# Altium PCB brew_cad.PcbDoc
Units mil, origin at the board's own origin, x right, y up, seen from the top; angles counter-clockwise.
Board outline 5300 x 6300 mil, 2 copper layers (L1, L2), stack 62.8 mil thick; 45 components, 102 nets, 484 pads, 55 vias.
Unrouted connection lines stored in the file: 5.
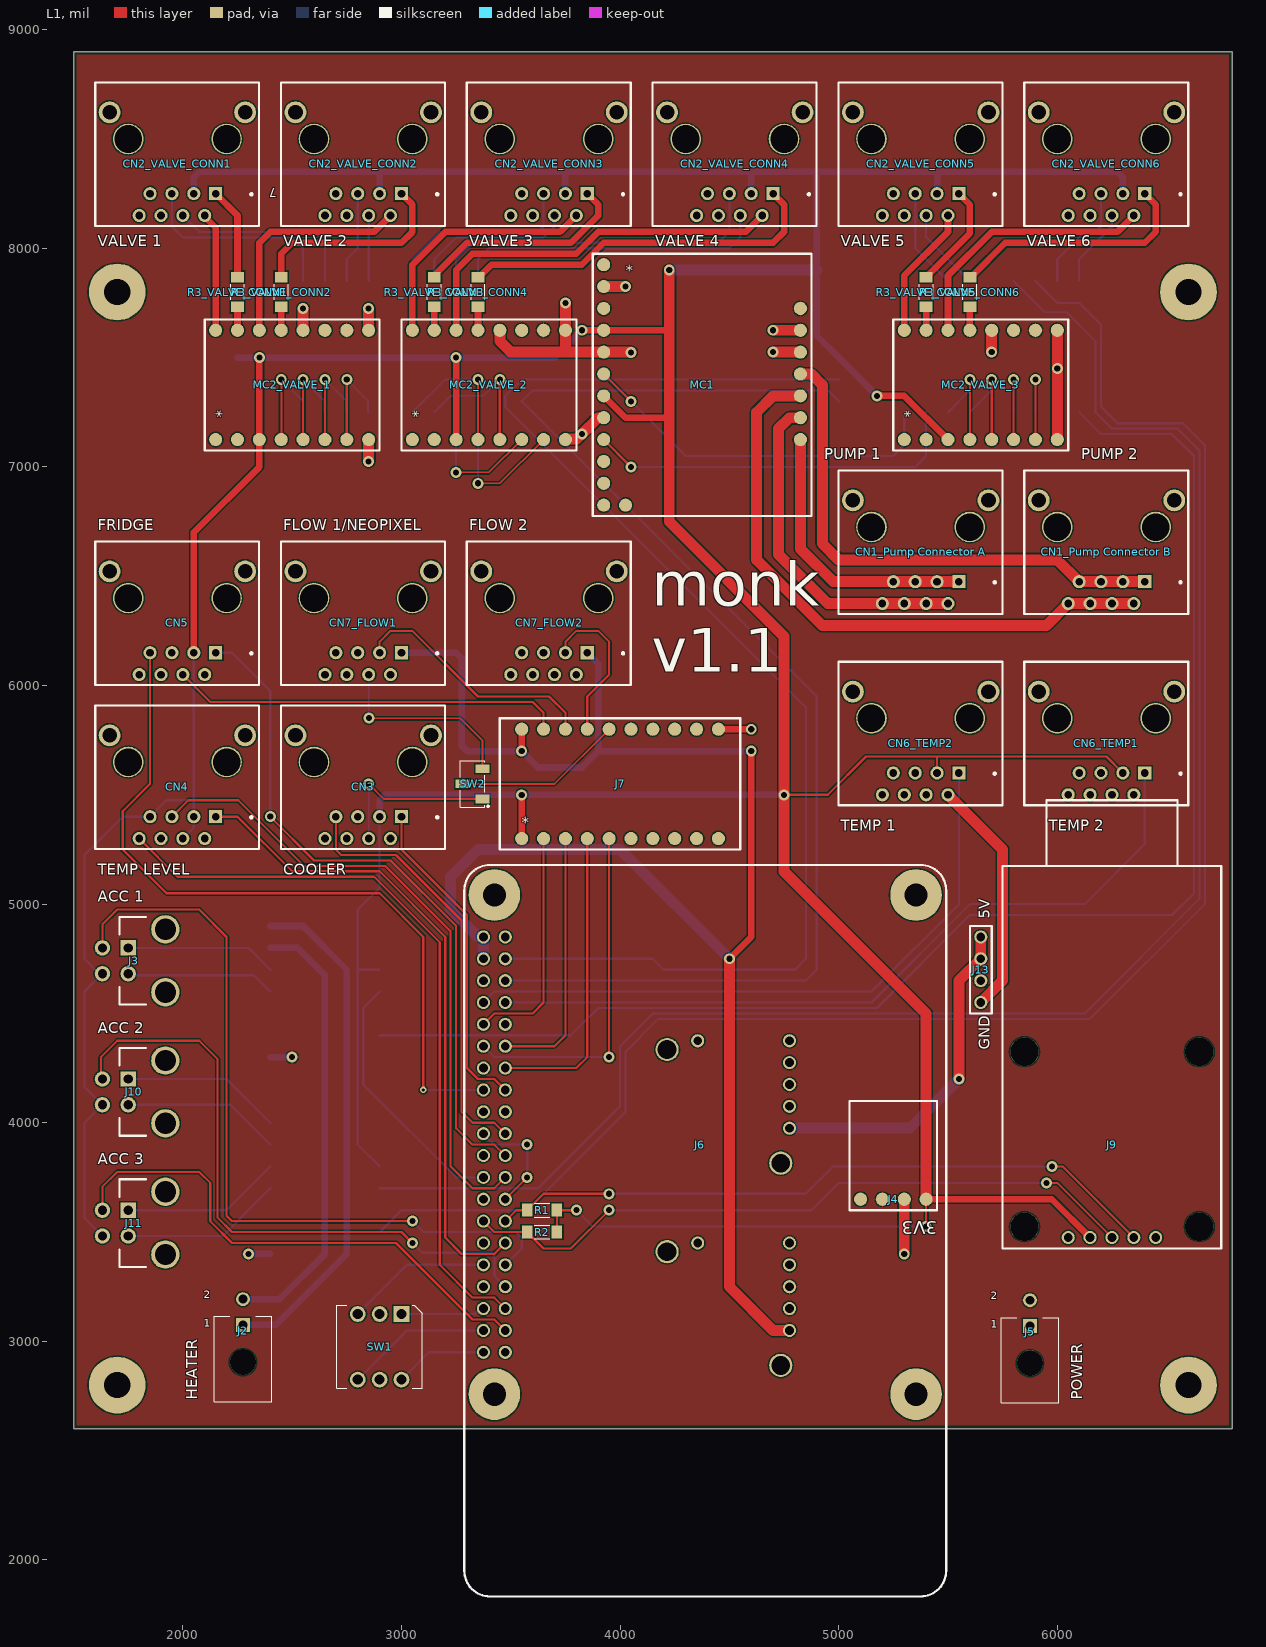
[diagram p0: L1 view]
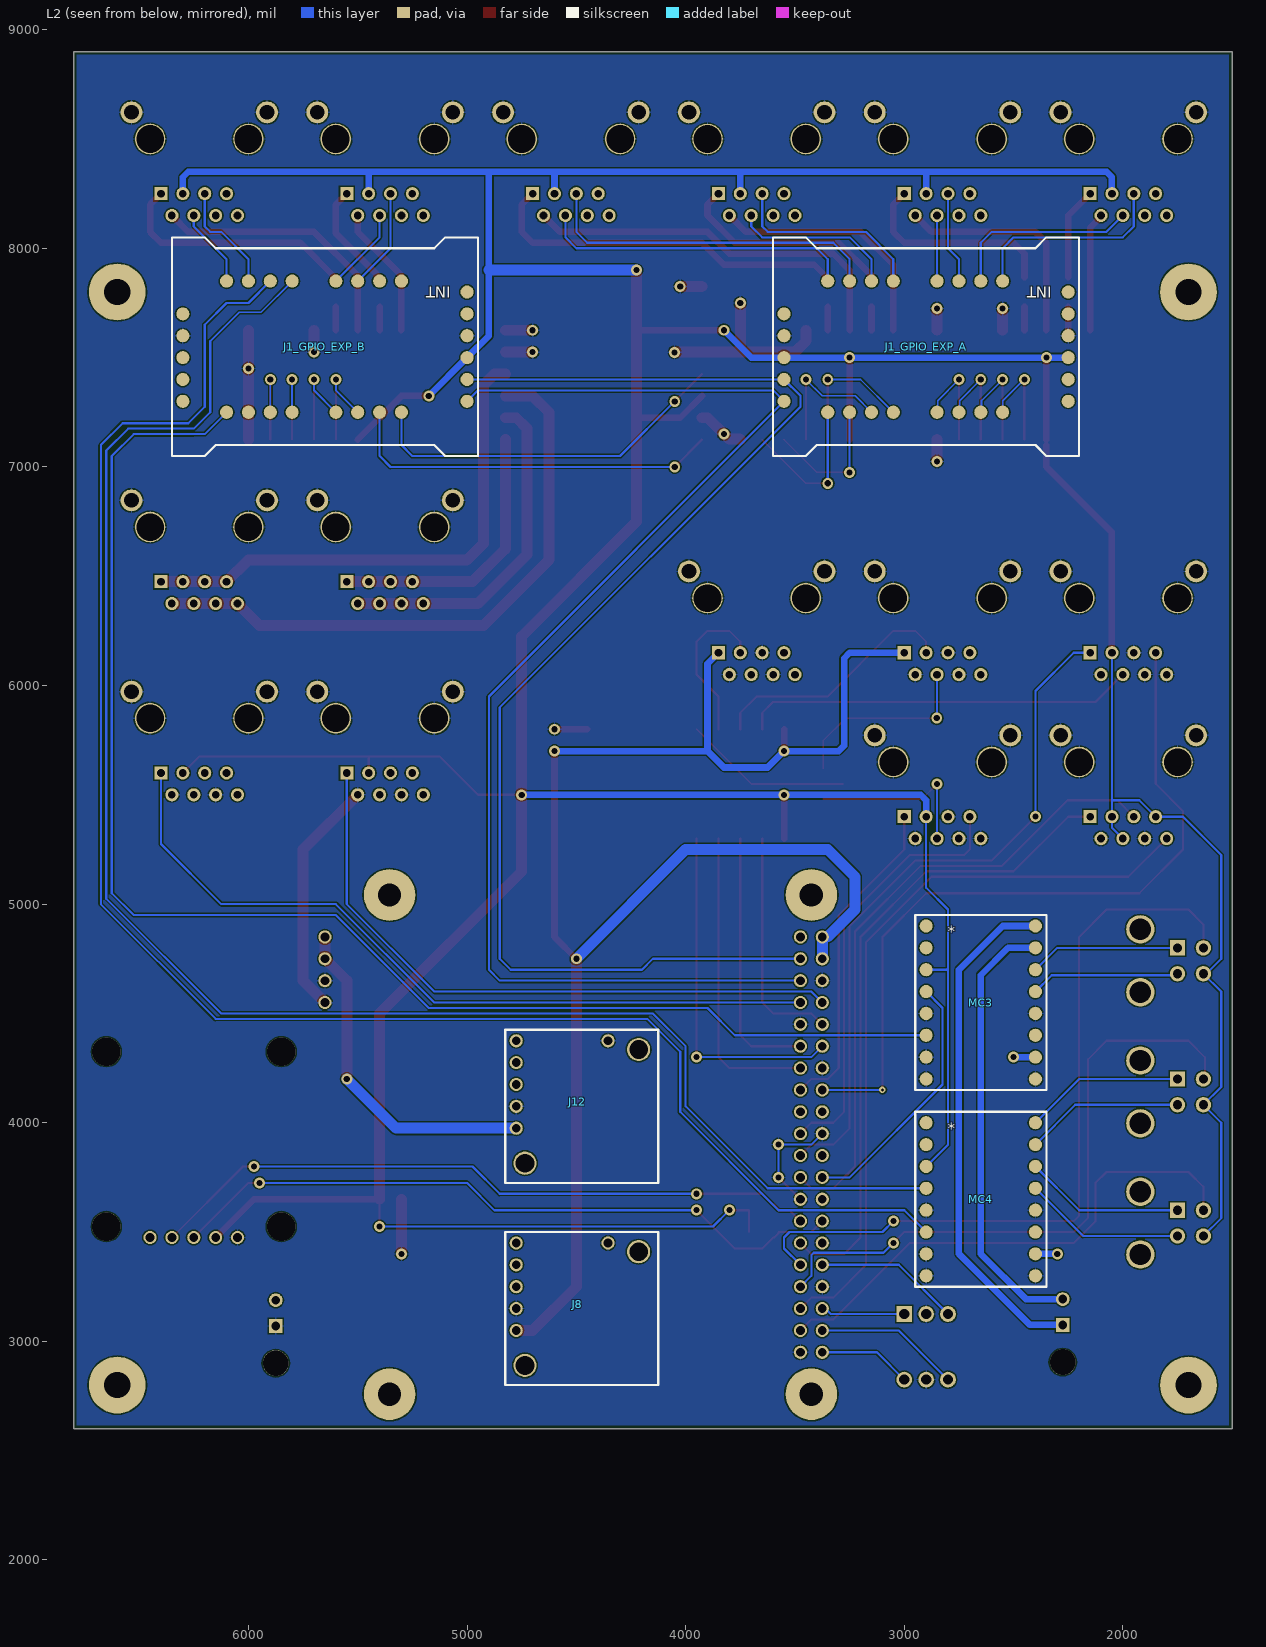
[diagram p1: L2 view, seen from below]
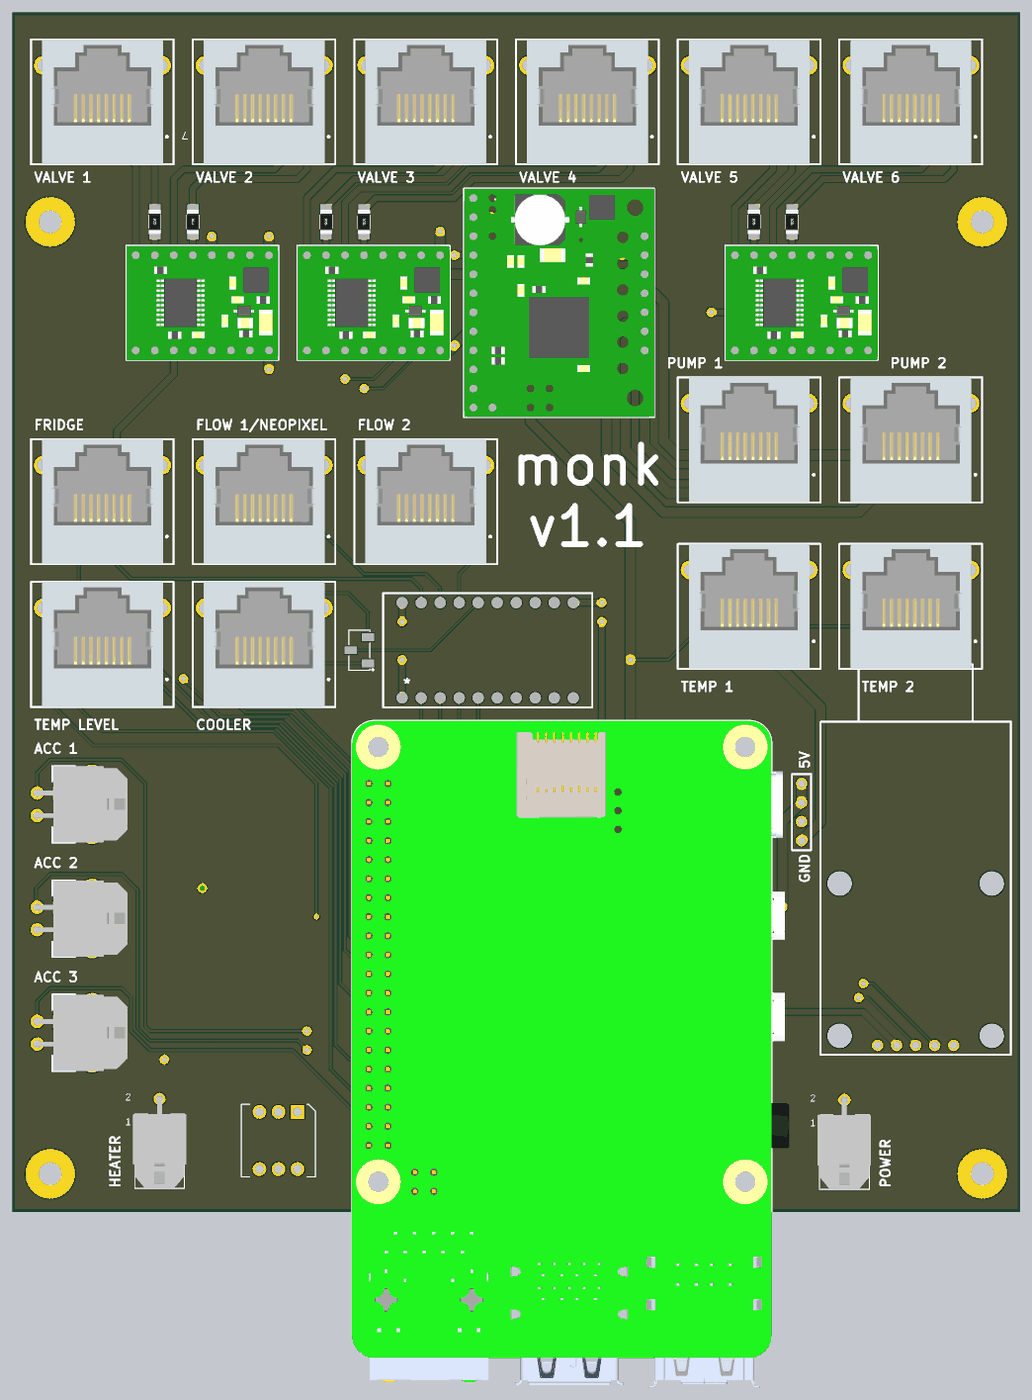
[diagram p2: 3D render of the assembled board from above, using the file's embedded part models]
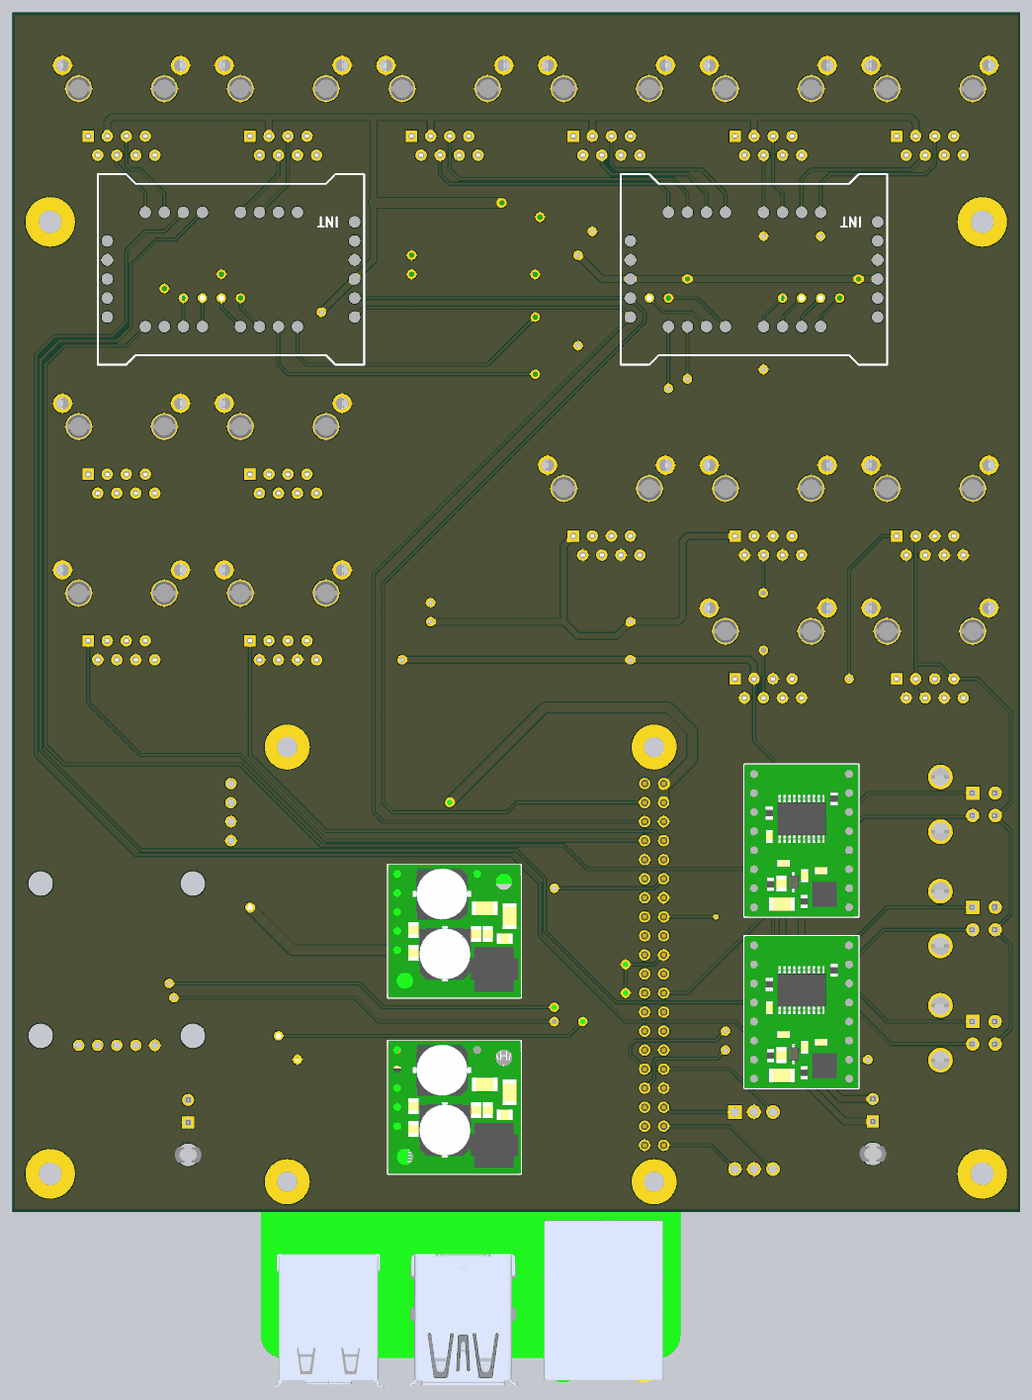
[diagram p3: 3D render of the assembled board from below, using the file's embedded part models]

## Layer stack, top to bottom
Top Solder: solder mask 0.1, Solder Resist, Dk 1
L1: signal copper 1.4
Core: dielectric 60, FR-4, Dk 4.6
L2: signal copper 1.4
Bottom Solder: solder mask 0.1, Solder Resist, Dk 1

## Board outline
1500,2600 1500,8900 6800,8900 6800,2600

## Design rules (kind name [scope] priority, off if disabled: settings)
BoardOutlineClearance [All] p1: gap=15 ignorepadtopadclearanceinfootprint=FALSE
Clearance [All] p1: gap=6 ignorepadtopadclearanceinfootprint=FALSE except(0: Arc-Hole Track-Hole SMDPad-Hole THPad-Hole Via-Hole Fill-Hole Poly-Hole Region-Hole Text-Hole)
ComponentClearance [All] p1: gap=1 collisioncheckmode=3 verticalgap=1 showdistances=FALSE
DiffPairsRouting [All] p1: maxlimit=393.7 minlimit=6 mostfreqgap=8 toplayer_minwidth=6 toplayer_maxwidth=15 toplayer_prefwidth=8 bottomlayer_minwidth=6 bottomlayer_maxwidth=15 bottomlayer_prefwidth=8 maxuncoupledlength=500
HoleSize [All] p1: absolutevalues=TRUE maxlimit=265 minlimit=13 maxpercent=80.000 minpercent=20.000
HoleToHoleClearance [All] p1: gap=10 allowstackedmicrovias=FALSE
MinimumAnnularRing [All] p1: minimumring=7
MinimumSolderMaskSliver [All] p1: minsoldermaskwidth=0
PlaneClearance [All] p1: clearance=10
PlaneConnect [All] p1: planeconnectstyle=Direct reliefexpansion=16 reliefentries=4 reliefconductorwidth=6 reliefairgap=6
PolygonConnect [All] p1: connectstyle=Relief reliefconductorwidth=8 reliefentries=4 polygonreliefangle="90 Angle" airgapwidth=6
RoutingCorners [All] p1: cornerstyle=45-Degree minsetback=49.21 maxsetback=49.21
RoutingVias [All] p1: holewidth=15 width=30 viastyle="Through Hole" minholewidth=13 minwidth=27 maxholewidth=100 maxwidth=114
SilkToSilkClearance [All] p1: silktosilkclearance=0
SilkToSolderMaskClearance [IsPad] p1: minsilkscreentomaskgap=6 clearancetoexposedcopper=TRUE
SolderMaskExpansion [All] p1: expansion=2.95 istentingtop=FALSE
Width [All] p1: maxlimit=400 minlimit=6 preferedwidth=8
20 further rules are at their usual default settings.

## Classes and differential pairs
net class FLOW_NEO[1..2]: FLOW_NEO1 FLOW_NEO2
channel class valve: VALVE_1 VALVE_2 VALVE_3
channel class gpio_expander: GPIO_EXP_A GPIO_EXP_B
channel class connector_valve: VALVE_CONN1 VALVE_CONN2 VALVE_CONN3 VALVE_CONN4 VALVE_CONN5 VALVE_CONN6
channel class connector_temp: TEMP1 TEMP2
channel class connector_pump: "Pump Connector A" "Pump Connector B"
channel class connector_flow: FLOW1 FLOW2
net class FLOW_TACH[1..2]: FLOW_TACH1 FLOW_TACH2
net class GPIO[0..22]: GPIO0 GPIO1 GPIO2 GPIO3 GPIO4 GPIO5 GPIO6 GPIO7 GPIO8 GPIO9 GPIO10 GPIO11 GPIO12 GPIO13 GPIO14 GPIO15 GPIO16 GPIO17 GPIO18 GPIO19 GPIO20 GPIO21 GPIO22
component class VALVE_CONN6: CN2_VALVE_CONN6 R3_VALVE_CONN6
component class VALVE_CONN5: CN2_VALVE_CONN5 R3_VALVE_CONN5
component class VALVE_CONN4: CN2_VALVE_CONN4 R3_VALVE_CONN4
component class VALVE_CONN3: CN2_VALVE_CONN3 R3_VALVE_CONN3
component class VALVE_CONN2: CN2_VALVE_CONN2 R3_VALVE_CONN2
component class VALVE_CONN1: CN2_VALVE_CONN1 R3_VALVE_CONN1
component class VALVE_3: MC2_VALVE_3
component class VALVE_2: MC2_VALVE_2
component class VALVE_1: MC2_VALVE_1
component class TEMP_LEVEL: CN4
component class TEMP2: CN6_TEMP2
component class TEMP1: CN6_TEMP1
component class RASPBERRY_PI: J6 R1 R2
component class PUMP: MC1
component class "Pump Connector B": "CN1_Pump Connector B"
component class "Pump Connector A": "CN1_Pump Connector A"
component class POWER: J4 J5 J8 J12 J13
component class HEATER_CONTROL: J2 J3 MC3
component class GPIO_EXP_B: J1_GPIO_EXP_B
component class GPIO_EXP_A: J1_GPIO_EXP_A
component class FRIDGE: CN5
component class FLOW2: CN7_FLOW2
component class FLOW1: CN7_FLOW1
component class COOLER: CN3
component class BUTTON: J10 J11 MC4
component class brew_schematic: J7 J9 SW1 SW2

## Components (designator, comment, footprint, x,y, rotation, side; value= is the part's Value field where it differs from the comment)
"CN1_Pump Connector A" "CONN_RJ45_TOP_A00-108-222-450" "RJ45 TOP ENTRY EDAC A00-108-222-450" 5550,6475 r180 top (schematic designator CN1)
"CN1_Pump Connector B" "CONN_RJ45_TOP_A00-108-222-450" "RJ45 TOP ENTRY EDAC A00-108-222-450" 6400,6475 r180 top (schematic designator CN1)
CN2_VALVE_CONN1 "CONN_RJ45_TOP_A00-108-222-450" "RJ45 TOP ENTRY EDAC A00-108-222-450" 2150,8250 r180 top (schematic designator CN2)
CN2_VALVE_CONN2 "CONN_RJ45_TOP_A00-108-222-450" "RJ45 TOP ENTRY EDAC A00-108-222-450" 3000,8250 r180 top (schematic designator CN2)
CN2_VALVE_CONN3 "CONN_RJ45_TOP_A00-108-222-450" "RJ45 TOP ENTRY EDAC A00-108-222-450" 3850,8250 r180 top (schematic designator CN2)
CN2_VALVE_CONN4 "CONN_RJ45_TOP_A00-108-222-450" "RJ45 TOP ENTRY EDAC A00-108-222-450" 4700,8250 r180 top (schematic designator CN2)
CN2_VALVE_CONN5 "CONN_RJ45_TOP_A00-108-222-450" "RJ45 TOP ENTRY EDAC A00-108-222-450" 5550,8250 r180 top (schematic designator CN2)
CN2_VALVE_CONN6 "CONN_RJ45_TOP_A00-108-222-450" "RJ45 TOP ENTRY EDAC A00-108-222-450" 6400,8250 r180 top (schematic designator CN2)
CN3 "CONN_RJ45_TOP_A00-108-222-450" "RJ45 TOP ENTRY EDAC A00-108-222-450" 3000,5400 r180 top
CN4 "CONN_RJ45_TOP_A00-108-222-450" "RJ45 TOP ENTRY EDAC A00-108-222-450" 2150,5400 r180 top
CN5 "CONN_RJ45_TOP_A00-108-222-450" "RJ45 TOP ENTRY EDAC A00-108-222-450" 2150,6150 r180 top
CN6_TEMP1 "CONN_RJ45_TOP_A00-108-222-450" "RJ45 TOP ENTRY EDAC A00-108-222-450" 6400,5600 r180 top (schematic designator CN6)
CN6_TEMP2 "CONN_RJ45_TOP_A00-108-222-450" "RJ45 TOP ENTRY EDAC A00-108-222-450" 5550,5600 r180 top (schematic designator CN6)
CN7_FLOW1 "CONN_RJ45_TOP_A00-108-222-450" "RJ45 TOP ENTRY EDAC A00-108-222-450" 3000,6150 r180 top (schematic designator CN7)
CN7_FLOW2 "CONN_RJ45_TOP_A00-108-222-450" "RJ45 TOP ENTRY EDAC A00-108-222-450" 3850,6150 r180 top (schematic designator CN7)
J1_GPIO_EXP_A "SX1509 Breakout" "SX1509 Breakout" 3600,8050 r270 bottom locked (schematic designator J1)
J1_GPIO_EXP_B "SX1509 Breakout" "SX1509 Breakout" 6350,8050 r270 bottom locked (schematic designator J1)
J2 "__Template_Connector_1X2" MOLEX_430450202 2275,3075 r0 top
J3 "CONN_MOLEX_MICROFIT_DOUBLE_ROW_RA_TH_4POS_LOCK" MOLEX_MICROFIT_DOUBLE_ROW_RA_TH_4POS_43045-0422 1750,4740.94 r90 top
J4 "Pololu 3.3V, 500mA" "Pololu 3.3V, 500mA Step-Down Voltage Regulator D24V5F3 - duplicate" 5450,4100 r180 top
J5 "__Template_Connector_1X2" MOLEX_430450202 5875,3070.08 r0 top
J6 "Raspberry PI 4B" "Raspberry PI 4B" 3425,3900 r0 top locked
J7 "TXB0108" TXB0108 4550,5250 r90 top locked
J8 "Pololu 5V, 2.5A" "Pololu 5V, 2.5A Step-Down Voltage Regulator D24V22F5" 4825,3500 r270 bottom locked
J9 "Differential I2C Breakout - PCA9615" "Differential I2C Breakout - PCA9615" 6750,3425 r90 top locked
J10 "CONN_MOLEX_MICROFIT_DOUBLE_ROW_RA_TH_4POS_LOCK" MOLEX_MICROFIT_DOUBLE_ROW_RA_TH_4POS_43045-0422 1750,4140.94 r90 top
J11 "CONN_MOLEX_MICROFIT_DOUBLE_ROW_RA_TH_4POS_LOCK" MOLEX_MICROFIT_DOUBLE_ROW_RA_TH_4POS_43045-0422 1750,3540.94 r90 top
J12 "Pololu 5V, 2.5A" "Pololu 5V, 2.5A Step-Down Voltage Regulator D24V22F5" 4825,4425 r270 bottom
J13 "1x4_PIN" 1x4_PIN 5650,4550 r180 top
MC1 "TB67H420FTG" "TB67H420FTG Dual/Single Motor Driver Carrier" 3875,6775 r0 top
MC2_VALVE_1 "A4990" "A4990 Dual Motor Driver Carrier" 2900,7075 r90 top locked (schematic designator MC2)
MC2_VALVE_2 "A4990" "A4990 Dual Motor Driver Carrier" 3800,7075 r90 top locked (schematic designator MC2)
MC2_VALVE_3 "A4990" "A4990 Dual Motor Driver Carrier" 6050,7075 r90 top (schematic designator MC2)
MC3 "A4990" "A4990 Dual Motor Driver Carrier" 2950,4150 r180 bottom
MC4 "A4990" "A4990 Dual Motor Driver Carrier" 2950,3250 r180 bottom
R1 "__Template_Resistor" R1206 3642.91,3600 r180 top value=1.8K
R2 "__Template_Resistor" R1206 3642.91,3500 r180 top value=1.8K
R3_VALVE_CONN1 "__Template_Resistor" R1206 2250,7800 r90 top value=1.8K (schematic designator R3)
R3_VALVE_CONN2 "__Template_Resistor" R1206 2450,7800 r90 top value=1.8K (schematic designator R3)
R3_VALVE_CONN3 "__Template_Resistor" R1206 3150,7800 r90 top value=1.8K (schematic designator R3)
R3_VALVE_CONN4 "__Template_Resistor" R1206 3350,7800 r90 top value=1.8K (schematic designator R3)
R3_VALVE_CONN5 "__Template_Resistor" R1206 5400,7800 r90 top value=1.8K (schematic designator R3)
R3_VALVE_CONN6 "__Template_Resistor" R1206 5600,7800 r90 top value=1.8K (schematic designator R3)
SW1 "SWITCH_HEX ROTARY_50V_DIP16" SW_HEX_ROTARY_94HBB16T 3000,3125 r90 top
SW2 "SWITCH_DIP_SPDT_CAS-120TA" SWITCH_CAS-120TA 3325,5550 r180 top
